# KiCad board pcb.kicad_pcb (continued)
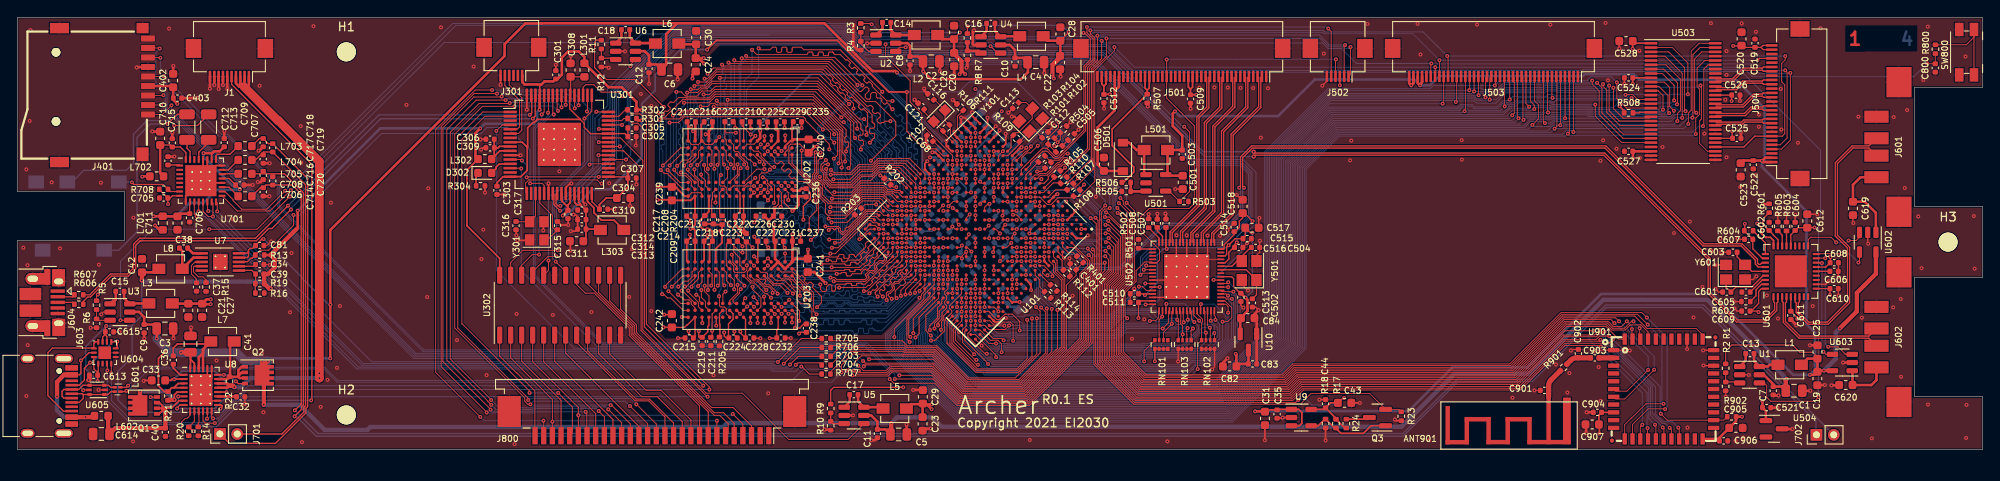
[diagram p0: board, top side]
## Routing (per net, layer and track width the routed paths; a pad name or vN(x,y) marks a point on that pad's centre or on a via; arc(x,y) is an arc through that point) (continued)
/lcd/LVDS_CKN: length 7
  Top w0.15: U503.40 196.24,38.88 199.48,38.88 200.23,39.62 201.55,39.62 201.67,39.75 J504.14
/lcd/LVDS_CKP: length 7
  Top w0.15: U503.39 196.24,38.63 199.58,38.63 200.33,39.38 201.55,39.38 201.67,39.25 J504.13
/lcd/LVDS_D0N: length 7.2
  Top w0.15: U503.48 196.24,42.88 198.08,42.88 199.33,44.12 201.55,44.12 201.67,44.25 J504.23
/lcd/LVDS_D0P: length 7.2
  Top w0.15: J504.22 201.67,43.75 201.55,43.88 199.43,43.88 198.18,42.63 196.24,42.63 U503.47
/lcd/LVDS_D1N: length 7
  Top w0.15: U503.46 196.24,41.88 198.51,41.88 199.26,42.62 201.55,42.62 201.67,42.75 J504.20
/lcd/LVDS_D1P: length 7
  Top w0.15: U503.45 196.24,41.63 198.61,41.63 199.36,42.38 201.55,42.38 201.67,42.25 J504.19
/lcd/LVDS_D2N: length 7.2
  Top w0.15: J504.17 201.67,41.25 201.55,41.12 200.52,41.12 199.27,39.88 196.24,39.88 U503.42
/lcd/LVDS_D2P: length 7.2
  Top w0.15: U503.41 196.24,39.63 199.37,39.63 200.62,40.88 201.55,40.88 201.67,40.75 J504.16
/lcd/LVDS_D3N: length 6.7
  Top w0.15: J504.11 201.67,38.25 201.55,38.12 199.42,38.12 199.17,37.88 196.24,37.88 U503.38
/lcd/LVDS_D3P: length 6.7
  Top w0.15: J504.10 201.67,37.75 201.55,37.88 199.52,37.88 199.27,37.63 196.24,37.63 U503.37
/lcd/MIPI_CN: length 21.3
  Top w0.15: J501.9 140.37,43.03 140.37,39.71 138.07,37.4 138.07,27.63 135.54,25.1 135.54,24.01 U502.8
/lcd/MIPI_CP: length 21.3
  Top w0.15: J501.8 140.62,43.03 140.62,39.6 138.32,37.3 138.32,27.53 135.79,25 135.79,24.01 U502.7
/lcd/MIPI_DN0: length 21.5
  Top w0.15: U502.2 137.94,24.01 137.94,25.01 140.19,27.26 140.19,36.48 143.37,39.67 143.37,43.03 J501.3
/lcd/MIPI_DN1: length 21.4
  Top w0.15: U502.5 136.74,24.01 136.74,25.09 138.38,26.73 138.38,26.73 138.71,27.05 138.71,27.05 139.08,27.43 139.08,36.83 141.87,39.62 141.87,43.03 J501.6
/lcd/MIPI_DN2: length 21.2
  Top w0.15: J501.12 138.87,43.03 138.87,39.61 137.09,37.83 137.09,27.98 134.34,25.23 134.34,24.01 U502.11
/lcd/MIPI_DN3: length 21
  Top w0.15: U502.14 133.14,24.01 133.14,25.18 136.23,28.27 136.23,38.48 137.37,39.62 137.37,43.03 J501.15
/lcd/MIPI_DP0: length 21.5
  Top w0.15: U502.1 138.19,24.01 138.19,24.91 140.44,27.16 140.44,36.38 143.62,39.56 143.62,43.03 J501.2
/lcd/MIPI_DP1: length 21.4
  Top w0.15: U502.4 136.99,24.01 136.99,24.98 138.63,26.62 138.63,26.63 138.81,26.8 138.81,26.8 139.33,27.32 139.33,36.73 142.12,39.52 142.12,43.03 J501.5
/lcd/MIPI_DP2: length 21.2
  Top w0.15: J501.11 139.12,43.03 139.12,39.5 137.34,37.72 137.34,27.88 134.59,25.13 134.59,24.01 U502.10
/lcd/MIPI_DP3: length 21
  Top w0.15: U502.13 133.39,24.01 133.39,25.07 136.48,28.16 136.48,38.37 137.62,39.52 137.62,43.03 J501.14
/power/BAT+: length 57.6
  Top w0.3: 26.14,42.01 25.61,42.01 ; 26.14,42.01 26.25,42.12 J1.2 ; 26.14,42.01 26.17,41.98 26.58,41.98 26.75,42.15 J1.1 ; 25.61,42.01 25.25,42.38 J1.4 ; 25.61,42.01 25.75,42.15 J1.3 ; U8.20 23.15,7.65 24.24,7.65 R22.1 24.26,7.15 U8.19 ; 28.45,39.7 28.45,39.67
  Top w0.5: v1(25.06,7.22) 24.9,7.39 R22.1
  Top w1: v1(34.89,8.26) 34.88,8.27 34.88,33.32 30.15,38.05 30.1,38.05 26.17,41.98
  Bottom w0.5: v1(34.88,8.82) 34.89,8.81 v1(34.89,8.26) 26.88,8.26 25.84,7.22 v1(25.06,7.22)
/power/BAT_NTC: length 59.3
  Top w0.11: R20.1 20.45,3.26 20.45,4.45 U8.10
  Top w0.15: R20.1 20.29,2.12 v1(20.34,2.12) ; v1(33.94,5.69) 34.02,5.78 34.02,32.96 24.75,42.24 J1.5
  Bottom w0.15: v1(20.34,2.12) 20.87,2.65 23,2.65 26.04,5.69 v1(33.94,5.69)
/power/INTVCC: length 11.4
  Top w0.2: U8.2 19.24,8.16 17.89,8.16 17.73,8 C33.2 ; U8.18 24.15,6.65 v1(24.16,6.63)
  Bottom w0.2: v1(18.09,8.13) 19.03,9.07 22.81,9.07 24.16,7.72 v1(24.16,6.63)
/usb/OCI1B: length 7.8
  Top w0.11: U601.19 206.86,23.57 206.86,24.28 207.12,24.55 209.49,24.55 v1(210.07,23.97) ; U602.3 212.77,24.54 212.41,24.18 v1(211.52,24.18)
  Bottom w0.11: v1(210.07,23.97) 211.3,23.97 v1(211.52,24.18)
/usb/OCI2B: length 14.6
  Top w0.11: U601.17 207.81,22.14 v1(208.81,22.14) ; U603.3 211.15,11.01 211.1,11.06 211.1,11.08 210.29,11.88 v1(209.16,11.88)
  Bottom w0.11: v1(208.81,22.14) 208.81,12.23 v1(209.16,11.88)
/usb/PPON1: length 6.7
  Top w0.11: 210.77,22.65 v1(210.69,22.65) 207.81,22.65 U601.18 ; U602.4 212.77,21.74 v1(212.65,21.63)
  Bottom w0.11: v1(210.69,22.65) 211.63,22.65 v1(212.65,21.63)
/usb/PPON2: length 12.2
  Top w0.11: v1(208.43,21.57) 208.38,21.61 U601.16 ; v1(208.61,11.3) 208.9,11.01 U603.4
  Bottom w0.11: v1(208.61,11.3) 208.43,11.48 v1(208.43,21.57)
/usb/TYPEC_DN: length 8.3
  Top w0.15: L601.4 10.77,7.2 10.54,7.44 U605.3 U605.4 7.59,7.44 7.1,6.95 J603.B7 5.38,6.95 5.17,6.74 5.17,6.16 5.37,5.96 6.28,5.96 J603.A7
/usb/TYPEC_DP: length 7.1
  Top w0.15: 7.61,6.36 7.51,6.46 6.29,6.46 J603.A6 ; 7.61,6.36 U605.6 U605.1 10.47,6.36 10.81,6.7 L601.3 ; 7.61,6.36 7.61,5.9 7.15,5.44 6.3,5.44 J603.B6
/usb/USB_D1+: length 31.5
  Top w0.15: J601.3 213.86,35.12 211.92,35.12 209.98,33.18 209.98,24.71 211.38,23.3 211.38,17.08 209.05,14.74 206.91,14.74 205.72,15.94 205.72,16.99 205.84,17.11 U601.7
/usb/USB_D1-: length 31.9
  Top w0.15: J601.2 213.86,34.88 212.02,34.88 210.23,33.08 210.23,24.81 211.63,23.4 211.63,16.98 209.15,14.49 206.81,14.49 205.47,15.84 205.47,16.95 205.34,17.08 U601.6
/usb/USB_D2+: length 14.5
  Top w0.15: U601.4 204.34,17.08 204.22,16.96 204.22,14.81 205.9,13.12 213.86,13.12 J602.3
/usb/USB_D2-: length 14.9
  Top w0.15: U601.3 203.84,17.14 203.97,17.01 203.97,14.71 205.8,12.88 213.86,12.88 J602.2
AP_WAKE_BT: length 109.2
  Top w0.1: v1(127.09,27.37) 128.22,26.24 128.22,19.88 126.95,18.61 126.95,10.97 130.02,7.91 146.44,7.91 147.65,9.11 172.71,9.11 178.63,15.03 184.07,15.03 v1(184.47,14.63) ; U101.T1 116.49,34.51 116.68,34.51 117.08,34.91 v1(117.08,35.07) ; v1(188.36,9.22) 185.9,6.75 184.63,6.75 U901.6
  Bottom w0.1: v1(188.36,9.22) 188.36,10.77 184.5,14.63 v1(184.47,14.63) ; v1(127.09,27.37) 126.56,27.9 126.56,29.98 120.35,36.19 118.2,36.19 v1(117.08,35.07)
ARM_EN: length 56.2
  Top w0.1: U301.42 69.66,36.05 72.24,33.47 72.24,13.84 79.56,6.52 83.75,6.52 89.12,1.15 95.94,1.15 U5.4
BT_CFG_1: length 24.9
  Top w0.1: U101.A22 112.3,14.31 113.97,14.31 v1(113.99,14.33) ; U502.36 132.27,15.41 v1(132.23,15.38) 131.87,15.01 131.87,13.32 131.89,13.3 RN101.3
  Bottom w0.1: v1(113.99,14.33) 114.43,14.77 115.91,14.77 116.28,14.4 126.21,14.4 127.88,16.07 131.54,16.07 v1(132.23,15.38)
BT_CFG_2: length 34.9
  Top w0.1: U502.37 132.67,16.8 v1(132.72,16.85) ; RN103.5 135.59,13.3 135.57,13.32 135.57,13.78 v1(135.79,14) ; U101.B22 112.31,14.89 112.7,14.51 113.63,14.51 113.86,14.74 114.7,14.74 115.01,14.43 v1(115.01,12.58)
  Bottom w0.1: v1(115.01,12.58) 115.16,12.43 126.85,12.43 127.93,13.52 134.25,13.52 134.46,13.73 134.74,13.73 134.79,13.67 135.46,13.67 v1(135.79,14) 135.55,14.24 135.55,14.89 135.79,15.13 135.79,15.93 134.86,16.85 v1(132.72,16.85)
BT_CFG_3: length 28.6
  Top w0.1: RN103.6 135.09,13.3 135.07,13.32 135.07,13.96 v1(135.17,14.05) ; v1(132.29,14) 132.95,14.66 132.95,15.94 U502.38 ; v1(113.92,12.64) 113.71,12.84 112.71,12.84 U101.A23
  Bottom w0.1: v1(113.92,12.64) 114.53,12.64 114.87,12.98 115.15,12.98 115.35,12.78 126.92,12.78 128.14,14 v1(132.29,14) 132.34,13.95 135.06,13.95 v1(135.17,14.05)
BT_CFG_4: length 28
  Top w0.1: U502.39 133.34,15.94 v1(133.34,14.55) 133.34,14.52 132.39,13.56 RN101.2 ; U101.C22 v2(111.19,14.89)
  Bottom w0.1: v1(133.34,14.55) 133.29,14.6 132.07,14.6 131.87,14.4 127.97,14.4 126.75,13.18 115.51,13.18 115.32,13.38 114.7,13.38 114.55,13.22 112.86,13.22 v2(111.19,14.89)
BT_CFG_5: length 27.9
  Top w0.1: RN103.8 134.09,14.88 v1(133.97,15) 133.97,15.96 U502.40 ; U101.B23 111.74,14.36 112.21,13.89 114.09,13.89 v1(114.55,14.35)
  Bottom w0.1: v1(114.55,14.35) 116.04,14.35 116.19,14.2 126.29,14.2 127.96,15.87 131.03,15.87 131.9,15 132.97,15 133.15,15.18 133.79,15.18 v1(133.97,15)
BT_CFG_6: length 27.9
  Top w0.1: U502.41 134.39,15.94 134.39,14.92 134.32,14.86 134.32,14.58 134.59,14.31 RN103.7 ; U101.A24 112.24,12.26 v1(113.04,12.26)
  Bottom w0.1: v1(134.6,13.33) 133.5,12.23 129.93,12.23 129.9,12.2 114.39,12.2 114.33,12.26 v1(113.04,12.26)
BT_CFG_10: length 35.2
  Top w0.1: U101.B24 111.2,13.83 112.39,12.65 113.26,12.65 113.69,12.22 v1(113.69,11.26) ; RN102.5 138.29,13.44 v1(138.25,13.47) ; U502.45 135.87,15.54 v1(136.5,14.91)
  Bottom w0.1: v1(113.69,11.26) 113.83,11.4 130.23,11.4 130.23,11.4 134.75,11.4 135.05,11.7 136.48,11.7 v1(138.25,13.47) 138.25,14.2 137.95,14.5 136.91,14.5 v1(136.5,14.91)
BT_CFG_11: length 46.3
  Top w0.1: U101.G20 v2(110.13,18.08) ; v1(136.33,9.31) 136.33,12.19 RN102.8 136.79,14.66 136.9,14.77 136.9,15.06 136.27,15.69 U502.46
  Bottom w0.1: v2(110.13,18.08) 110.1,18.05 109.57,18.05 107.69,16.17 107.69,16.16 106.79,15.26 106.79,14.28 107.06,14.01 107.06,12.52 110.56,9.03 111.32,9.03 111.74,8.61 135.64,8.61 v1(136.33,9.31)
BT_CFG_12: length 47.5
  Top w0.1: RN101.4 130.15,11.41 v1(130.15,10.19) ; U101.F21 v2(110.13,17.01) ; v1(136.7,16.82) 136.67,16.79 U502.47
  Bottom w0.1: v2(110.13,17.01) 110.13,16.48 109.18,15.54 109.18,13.17 111.11,11.24 111.11,11.13 111.75,10.49 112.35,10.49 112.73,10.11 130.06,10.11 v1(130.15,10.19) 130.56,10.6 135.08,10.6 135.38,10.9 137.68,10.9 139.59,12.81 139.59,15.48 138.24,16.82 v1(136.7,16.82)
BT_CFG_13: length 35.6
  Top w0.1: U101.E22 v2(110.13,15.95) ; RN102.7 137.29,13.51 v1(137.28,13.51) 137.17,13.63 137.17,15.96 U502.48
  Bottom w0.1: v2(110.13,15.95) 110.01,15.83 110.01,15.3 109.68,14.98 109.68,14.28 112.57,11.39 113.28,11.39 113.55,11.66 113.83,11.66 113.88,11.6 130.15,11.6 130.15,11.6 134.67,11.6 136.58,13.51 v1(137.28,13.51)
BT_CFG_14: length 34.6
  Top w0.1: U502.49 137.46,16.05 137.46,14.37 v1(137.74,14.09) 137.79,14.04 RN102.6 ; U101.D23 v2(110.13,14.89)
  Bottom w0.1: v1(137.74,14.09) 136.88,14.09 134.59,11.8 130.07,11.8 130.06,11.8 113.97,11.8 113.91,11.86 113.46,11.86 113.24,11.63 112.61,11.63 110.13,14.11 v2(110.13,14.89)
BT_RST_N: length 110.9
  Top w0.1: U901.34 194.65,13.28 193.93,13.99 188.24,13.99 186.79,15.44 178.47,15.44 172.54,9.51 147.48,9.51 146.28,8.31 130.18,8.31 127.35,11.14 127.35,18.44 128.62,19.71 128.62,27.12 v1(127.23,28.51) ; U101.T3 v2(114.37,32.92)
  Bottom w0.1: v1(127.23,28.51) 127,28.73 127,30.11 120.49,36.62 117.1,36.62 114.44,33.96 114.44,33 v2(114.37,32.92)
BT_WAKE_AP: length 112.2
  Top w0.1: U901.7 184.63,5.85 185.68,5.85 v1(189.06,9.23) ; U101.T2 114.9,33.41 115.94,34.44 116.08,34.44 v1(116.54,34.91) ; v1(127.05,27.94) 128.42,26.58 128.42,19.79 127.15,18.53 127.15,11.05 130.1,8.11 146.36,8.11 147.56,9.31 172.63,9.31 178.55,15.23 184.6,15.23 v1(185,14.83)
  Bottom w0.1: v1(185,14.83) 189.06,10.77 v1(189.06,9.23) ; v1(116.54,34.91) 116.54,35.07 117.86,36.39 120.43,36.39 126.8,30.02 126.8,28.19 v1(127.05,27.94)
CCM_CLKO2: length 102.4
  Top w0.1: U101.C4 v2(121.27,24.97) ; v1(184.28,12.74) 183.83,12.29 178.76,12.29 173.55,7.09 148.46,7.09 147.23,5.86 129.2,5.86 124.96,10.1 124.96,19.44 126.22,20.7 126.22,22.43 v1(125.67,22.98) ; v1(189.81,4.15) 190.56,3.4 U901.24 195.93,3.4 197.09,3.4 R902.2
  Bottom w0.1: v1(125.67,22.98) 125.01,22.98 124.15,23.85 122.39,23.85 v2(121.27,24.97) ; v1(189.81,4.15) 189.75,4.21 189.75,7.28 v1(184.28,12.74)
DEBUG_USB_D+: length 65.7
  Top w0.15: R606.2 7.61,17.12 8.14,17.65 8.45,17.65 10.87,20.06 12.83,20.06 13.67,20.91 13.67,23.62 14.2,24.15 ; v1(59.54,38.28) 59.81,38.55 59.81,40.94 U301.62 ; v1(31.61,27.76) 29.41,25.56 29.03,25.56 27.62,24.15 14.2,24.15 ; 14.2,24.15 14.4,24.15
  Bottom w0.15: v1(59.54,38.28) 59.53,38.26 41.97,38.26 31.61,27.9 v1(31.61,27.76)
DEBUG_USB_D-: length 64.2
  Top w0.15: U301.63 59.42,40.91 59.42,38.94 v1(59.19,38.72) ; R607.2 8.35,17.9 10.76,20.31 12.72,20.31 13.42,21.01 13.42,23.75 14.12,24.45 27.51,24.45 v1(31.26,28.21)
  Bottom w0.15: v1(59.19,38.72) 41.77,38.72 v1(31.26,28.21)
EC_I2C_SCL: length 116.9
  Top w0.11: v1(22.61,3.59) 22.45,3.76 U8.14 ; U604.6 10.39,9.89 v1(10.39,9.14) ; v1(79.94,6.94) 79.94,7.23 72.66,14.51 72.66,38.09 71.92,38.83 70.96,38.83 R302.2 70.23,39.3 69.48,38.55 U301.47
  Bottom w0.11: v1(10.39,9.14) 10.39,5.69 13.2,2.88 21.9,2.88 v1(22.61,3.59) 23.19,3.59 26.54,6.94 v1(79.94,6.94)
EC_I2C_SDA: length 117.2
  Top w0.11: v1(79.23,7.38) 72.45,14.17 72.45,36.97 71.67,37.75 71.04,37.75 R301.2 70.06,38.3 69.81,38.05 68.28,38.05 U301.46 ; v1(21.92,3.57) 21.95,3.6 U8.13 ; U604.7 10.86,9.93 v1(10.86,8.81)
  Bottom w0.11: v1(79.23,7.38) 26.69,7.38 23.61,4.31 ; v1(10.86,8.81) 10.86,5.67 13.43,3.11 21.46,3.11 v1(21.92,3.57) 22.03,3.57 22.73,4.26 23.57,4.26 23.61,4.31 ; 23.61,4.31 26.12,6.82
EC_INT: length 95
  Top w0.11: v1(22.82,3.05) 21.69,3.05 21.45,3.3 U8.12 ; U301.39 68.28,34.56 70.01,34.56 72.04,32.53 72.04,13.75 79.68,6.11 v1(79.73,6.11)
  Bottom w0.11: v1(79.73,6.11) 26.01,6.11 22.95,3.05 v1(22.82,3.05)
EC_USB_D+: length 174.4
  Top w0.15: U301.23 61.97,29.5 61.97,28.32 v1(62.68,27.62) ; v1(142.8,33.89) 142.95,34.04 183.24,34.04 195.29,22 195.29,18.02 198.57,14.75 201.89,14.75 203.22,16.07 203.22,16.94 203.34,17.07 U601.2
  Bottom w0.15: v1(62.68,27.62) 62.93,27.62 66.77,31.45 66.77,31.74 68.97,33.95 68.97,41.28 75.87,48.17 95.38,48.17 97.89,45.66 125.38,45.66 137.15,33.89 v1(142.8,33.89)
EC_USB_D-: length 173
  Top w0.15: v1(142.8,34.45) 142.95,34.29 183.35,34.29 195.54,22.1 195.54,18.13 198.67,15 201.79,15 202.97,16.17 202.97,16.97 202.84,17.1 U601.1 ; v1(62.71,28.18) 62.47,28.18 62.23,28.43 62.23,29.5 U301.24
  Bottom w0.15: v1(62.71,28.18) 62.86,28.18 68.72,34.05 68.72,41.38 75.77,48.42 95.48,48.42 97.99,45.91 125.48,45.91 136.95,34.45 v1(142.8,34.45)
EPD_PWR_EN: length 123.4
  Top w0.11: v1(123.94,48.48) 123.94,48.12 124.45,47.61 124.45,45.02 123.61,44.17 123.61,34.83 121.77,33 120.81,33 120.59,32.78 120.31,32.78 119.07,31.54 119.07,31.28 118.59,30.8 U101.L1 ; v1(165.16,45.52) 165.25,45.43 J503.31 ; v1(204.2,45.51) 204.2,45.09 203.78,44.67 203.78,42.53 204.13,42.18 204.13,36.54 203.84,36.25 J504.7
  Top w0.15: U503.32 199.42,35 200.67,36.25 J504.7
  Bottom w0.11: v1(204.2,45.51) 204.19,45.52 v1(165.16,45.52) 162.37,48.3 150.99,48.3 150.82,48.48 v1(123.94,48.48)
EPD_TP_INT: length 105.4
  Top w0.1: v1(164.26,45.03) 164.26,43.16 J503.33
  Top w0.11: v1(123.15,48.2) 123.27,48.2 123.93,47.54 123.93,45.09 123.19,44.35 123.19,36.96 120.12,33.89 119.89,33.89 119.78,34 ; 119.76,34 118.9,34.86 118.42,34.86 115.96,32.4 U101.P2
  Top w0.15: v1(200.98,45.02) 201.21,45.25 J504.25
  Bottom w0.1: v1(123.15,48.2) 123.39,47.96 123.95,47.96 124.25,48.25 150.75,48.25 150.91,48.1 161.19,48.1 v1(164.26,45.03) 200.97,45.03 v1(200.98,45.02)
EPDC_BDR0: length 127.9
  Top w0.1: v1(103.73,12.97) 104.15,13.38 104.15,15.27 106.42,17.54 U101.K24 ; U503.24 185.32,35.5 182.25,38.57 v1(182.25,39.9) ; J503.27 167.25,39.23 v1(167.15,39.13)
  Bottom w0.1: v1(103.73,12.97) 103.73,12.07 110.03,5.77 139.22,5.77 146.23,12.79 146.23,33.52 151.71,39 167.02,39 v1(167.15,39.13) 167.25,39.04 171.66,39.04 172.31,39.69 173.02,39.69 173.44,40.11 177.14,40.11 177.33,39.92 178.12,39.92 178.13,39.93 182.23,39.93 v1(182.25,39.9)
EPDC_D0: length 152
  Top w0.1: v1(194.69,37.41) 194.79,37.51 194.79,44.01 195.28,44.5 U503.51 ; v1(179.73,36.73) 179.75,36.75 J503.2
  Top w0.11: U101.P20 106.42,21.8 v1(106.42,21.79)
  Bottom w0.1: v1(194.69,37.41) 194.23,37.41 193.55,36.73 v1(179.73,36.73) 179.52,36.94 178.95,36.94 178.47,36.45 152.61,36.45 148.65,32.49 148.65,11.77 140.25,3.37 108.73,3.37 100.47,11.64 100.47,13.28 104.16,16.98 104.58,16.98 104.91,17.31 104.91,18.75 105.51,19.35 105.51,20.36 106.42,21.27 v1(106.42,21.79)
EPDC_D1: length 153
  Top w0.1: J503.3 179.26,43.14 179.26,36.71 v1(179.09,36.54) ; v1(105.86,21.28) 105.89,21.31 U101.P21 ; U503.52 194.9,45 194.02,44.11 194.02,41.97 194.31,41.68 194.31,38.79 193.86,38.34 v1(193.86,36.5)
  Bottom w0.1: v1(105.86,21.28) 105.31,20.73 105.31,19.44 104.71,18.84 104.71,17.51 104.37,17.18 104.08,17.18 100.27,13.37 100.27,11.56 108.65,3.18 140.34,3.18 148.85,11.69 148.85,32.41 152.7,36.26 178.8,36.26 v1(179.09,36.54) 179.28,36.35 193.7,36.35 v1(193.86,36.5)
EPDC_D2: length 148.1
  Top w0.1: U101.N20 v2(106.95,21.26) ; v1(178.76,38.33) 178.76,43.14 J503.4 ; U503.54 194.56,46 193.73,45.17 193.73,39.14 v1(193.92,38.95)
  Bottom w0.1: v1(193.92,38.95) 193.51,38.95 193.31,38.75 191.44,38.75 191.02,38.33 v1(178.76,38.33) 177.3,38.33 177.13,38.16 174.71,38.16 174.01,37.46 152.21,37.46 147.65,32.91 147.65,12.19 139.84,4.37 109.14,4.37 101.87,11.65 101.87,13.52 104.54,16.18 104.91,16.18 105.7,16.98 105.7,18.42 106.82,19.54 106.82,19.79 106.56,20.06 106.56,20.33 106.95,20.73 v2(106.95,21.26)
EPDC_D3: length 150.4
  Top w0.1: v1(178.21,37.53) 178.25,37.57 J503.5 ; U101.N21 v2(106.42,20.73) ; v1(193.48,38.39) 193.53,38.44 193.53,45.68 194.35,46.5 U503.55
  Bottom w0.1: v2(106.42,20.73) 106.33,20.64 106.33,20.11 105.91,19.68 105.91,19.19 105.3,18.59 105.3,17.15 104.74,16.58 104.33,16.58 100.89,13.15 100.89,11.78 108.89,3.77 140.09,3.77 148.25,11.94 148.25,32.66 152.45,36.85 176.75,36.85 177.43,37.53 v1(178.21,37.53) 178.31,37.42 192.01,37.42 192.97,38.39 v1(193.48,38.39)
EPDC_D4: length 151.2
  Top w0.1: v1(193,37.67) 193,38.92 193.33,39.25 193.33,46.09 194.24,47 U503.56 ; v1(177.56,37.12) 177.82,37.38 177.82,43.08 J503.6 ; U101.N22 v2(105.89,20.2)
  Bottom w0.1: v2(105.89,20.2) 105.71,20.02 105.71,19.27 105.11,18.67 105.11,17.23 104.66,16.78 104.24,16.78 100.69,13.23 100.69,11.7 108.81,3.57 140.17,3.57 148.45,11.85 148.45,32.57 152.53,36.65 177.09,36.65 v1(177.56,37.12) 177.57,37.13 192.47,37.13 v1(193,37.67)
EPDC_D5: length 140.2
  Top w0.1: U503.2 191.16,46.5 192.95,44.71 v1(192.95,41.1) ; v1(177.31,40.68) 177.25,40.75 J503.7 ; U101.M20 v2(107.48,20.73)
  Bottom w0.1: v1(192.95,41.1) 186.2,41.1 186.14,41.03 186.14,40.89 185.88,40.63 177.36,40.63 v1(177.31,40.68) 177.31,40.67 173.4,40.67 172.82,40.1 171.65,40.1 170.98,39.43 168.24,39.43 167.95,39.73 166.81,39.73 166.49,39.41 151.56,39.41 145.83,33.69 145.83,12.95 139.05,6.17 110.2,6.17 104.31,12.06 104.31,13.25 104.19,13.37 104.19,14.3 105.08,15.19 105.32,15.19 106.7,16.57 106.7,16.71 107.42,17.43 107.42,18.3 107.73,18.61 107.73,19.39 107.87,19.53 107.87,19.8 107.48,20.2 v2(107.48,20.73)
EPDC_D6: length 145.1
  Top w0.1: v1(192.69,39.14) 192.55,39.27 192.55,44.19 190.74,46 U503.3 ; J503.8 176.75,39.04 v1(176.8,38.99) ; U101.M21 v2(106.95,20.2)
  Bottom w0.1: v2(106.95,20.2) 107.1,20.04 107.1,19.51 107.33,19.28 107.33,18.77 107.02,18.46 107.02,17.59 106.3,16.87 106.3,16.73 105.15,15.59 104.78,15.59 102.46,13.27 102.46,11.91 109.39,4.98 139.59,4.98 147.05,12.43 147.05,33.15 151.96,38.06 172.63,38.06 173.05,38.48 173.05,38.5 173.06,38.52 173.06,38.67 173.15,38.76 176.22,38.76 176.45,38.99 v1(176.8,38.99) 178.31,38.99 178.46,39.13 181.44,39.13 181.65,38.93 190.26,38.93 190.84,39.5 191.13,39.5 191.2,39.58 191.48,39.58 191.92,39.14 v1(192.69,39.14)
EPDC_D7: length 146.1
  Top w0.1: v1(192.3,38.37) 192.3,43.51 190.31,45.5 U503.4 ; v1(176.44,37.76) 176.25,37.95 J503.9 ; U101.M22 v2(106.42,19.67)
  Bottom w0.1: v1(192.3,38.37) 191.39,38.37 190.96,37.94 178.61,37.94 178.42,38.13 177.46,38.13 177.09,37.76 v1(176.44,37.76) 176.27,37.93 174.77,37.93 174.1,37.26 152.29,37.26 147.85,32.82 147.85,12.11 139.92,4.17 109.06,4.17 101.67,11.57 101.67,13.6 104.45,16.38 104.82,16.38 105.5,17.06 105.5,18.5 106.42,19.42 v2(106.42,19.67)
EPDC_D8: length 145.3
  Top w0.1: v1(174.99,37.55) 175.68,38.24 175.68,39.9 175.25,40.33 J503.11 ; v1(101.29,13.01) 101.29,13.97 104.71,17.39 104.71,17.89 105.89,19.07 U101.M23 ; U503.6 190.43,44.5 192.09,42.84 192.09,39.2 191.73,38.85 v1(191.73,37.99)
  Bottom w0.1: v1(101.29,13.01) 101.29,11.66 108.98,3.97 140.01,3.97 148.05,12.02 148.05,32.74 152.37,37.05 174.5,37.05 v1(174.99,37.55) 175.18,37.36 176.98,37.36 177.55,37.93 178.34,37.93 178.65,37.62 191.36,37.62 v1(191.73,37.99)
EPDC_D9: length 135.6
  Top w0.1: v1(103.06,12.44) 102.75,12.75 102.75,15.16 105.36,17.76 U101.L25 ; U503.7 190.17,44 191.75,42.41 191.75,39.99 v1(191.69,39.93) ; v1(175.21,39.38) 175.21,39.83 174.75,40.29 J503.12
  Bottom w0.1: v1(103.06,12.44) 103.06,11.89 109.57,5.38 139.43,5.38 146.65,12.6 146.65,33.32 151.89,38.55 172.02,38.55 172.74,39.27 175.1,39.27 v1(175.21,39.38) 175.42,39.58 177.03,39.58 177.09,39.52 178.28,39.52 178.29,39.53 181.61,39.53 181.81,39.32 189.56,39.32 189.94,39.7 191.04,39.7 191.27,39.93 v1(191.69,39.93)
EPDC_D10: length 134.1
  Top w0.1: U503.8 189.99,43.5 191.36,42.12 v1(191.36,40.38) ; v1(174.62,39.65) 174.25,40.02 J503.13 ; U101.L24 105.89,18.01 102.96,15.08 102.96,13.21 v1(103.14,13.03)
  Bottom w0.1: v1(191.36,40.38) 191.07,40.09 184.87,40.09 184.3,39.52 181.9,39.52 181.69,39.73 178.21,39.73 178.2,39.72 177.17,39.72 177.11,39.78 174.75,39.78 v1(174.62,39.65) 174.46,39.49 172.39,39.49 171.66,38.75 151.8,38.75 146.45,33.4 146.45,12.73 139.3,5.58 109.67,5.58 103.46,11.79 103.46,12.71 v1(103.14,13.03)
EPDC_D11: length 138.9
  Top w0.1: U101.L23 v2(106.42,18.61) ; v1(191.34,39.19) 190.85,39.67 190.85,41.88 190.24,42.5 U503.10 ; v1(173.97,38.14) 173.9,38.21 173.9,43 J503.14
  Bottom w0.1: v2(106.42,18.61) 105.9,18.09 105.9,16.9 104.99,15.99 104.62,15.99 102.07,13.43 102.07,11.74 109.23,4.58 139.76,4.58 147.45,12.27 147.45,32.99 152.12,37.66 173.49,37.66 v1(173.97,38.14) 174.18,38.36 177.05,38.36 177.22,38.53 178.42,38.53 178.62,38.73 181.28,38.73 181.48,38.53 190.93,38.53 191.34,38.93 v1(191.34,39.19)
EPDC_D12: length 137.3
  Top w0.1: v1(190.79,38.92) 190.65,39.05 190.65,40.95 189.61,42 U503.11 ; J503.15 173.25,38.45 v1(173.39,38.31) ; U101.L22 v2(106.95,19.14)
  Bottom w0.1: v2(106.95,19.14) 106.8,18.99 106.8,17.66 106.1,16.96 106.1,16.82 105.07,15.79 104.7,15.79 102.26,13.35 102.26,11.82 109.31,4.78 139.68,4.78 147.25,12.35 147.25,33.07 152.04,37.86 172.93,37.86 v1(173.39,38.31) 173.63,38.56 176.96,38.56 177.14,38.73 178.34,38.73 178.54,38.93 181.36,38.93 181.56,38.73 190.6,38.73 v1(190.79,38.92)
EPDC_D13: length 135.1
  Top w0.1: v1(172.67,38.66) 172.9,38.89 172.9,43 J503.16 ; U101.L21 v2(107.48,19.67) ; v1(190.08,39.3) 190.08,40.93 189.51,41.5 U503.12
  Bottom w0.1: v1(190.08,39.3) 189.9,39.12 181.73,39.12 181.53,39.33 178.37,39.33 178.35,39.31 177.02,39.31 176.94,39.38 176.56,39.38 176.13,38.96 172.96,38.96 v1(172.67,38.66) 172.29,38.28 151.9,38.28 146.85,33.24 146.85,12.52 139.51,5.18 109.47,5.18 102.66,11.99 102.66,13.19 104.87,15.39 105.24,15.39 106.5,16.65 106.5,16.79 107.22,17.51 107.22,18.38 107.53,18.69 107.53,19.62 v2(107.48,19.67)
EPDC_D14: length 126.7
  Top w0.1: U503.14 187.13,40.5 186.57,41.06 185.77,41.06 v1(185.74,41.03) ; J503.17 172.37,43.03 v1(172.37,40.48) ; U101.L20 v2(108.01,20.2)
  Bottom w0.1: v1(185.74,41.03) 185.62,40.91 177.62,40.91 177.45,41.08 176.79,41.08 176.59,40.87 172.77,40.87 v1(172.37,40.48) 172.26,40.37 171.64,40.37 170.9,39.63 168.33,39.63 168.03,39.93 166.72,39.93 166.41,39.61 151.48,39.61 145.63,33.77 145.63,13.04 138.97,6.37 110.28,6.37 104.51,12.14 104.51,13.33 104.39,13.45 104.39,14.22 105.16,14.99 105.4,14.99 106.9,16.49 106.9,16.63 107.62,17.35 107.62,18.21 107.93,18.52 107.93,19.3 108.07,19.45 108.07,20.14 v2(108.01,20.2)
EPDC_D15: length 124.7
  Top w0.1: U101.K25 103.48,15.14 v1(103.48,13.47) ; v1(171.79,39.7) 171.75,39.74 J503.18 ; v1(186.44,40.66) 187.1,40 U503.15
  Bottom w0.1: v1(103.48,13.47) 103.81,13.47 104.11,13.17 104.11,11.98 110.12,5.97 139.14,5.97 146.03,12.87 146.03,33.6 151.63,39.2 166.56,39.2 166.87,39.52 167.31,39.52 167.59,39.23 171.32,39.23 v1(171.79,39.7) 171.97,39.89 172.89,39.89 173.32,40.31 177.22,40.31 177.41,40.12 177.44,40.12 177.75,40.43 186.21,40.43 v1(186.44,40.66)
EPDC_GDCLK: length 123
  Top w0.1: J503.24 168.75,41.01 v1(168.78,40.98) ; v1(105.51,13.18) 104.93,13.76 104.93,15.53 U101.J25 ; v1(183.15,42.28) 183.15,42.02 183.58,41.59 183.58,39 185.08,37.5 U503.20
  Bottom w0.1: v1(183.15,42.28) 182.81,41.95 178,41.95 177.87,42.08 176.38,42.08 176.17,41.87 171.69,41.87 171.05,41.23 169.03,41.23 v1(168.78,40.98) 151.44,40.98 144.63,34.18 144.63,13.45 138.56,7.37 111.02,7.37 105.91,12.48 105.91,12.78 v1(105.51,13.18)
EPDC_GDOE: length 123.1
  Top w0.1: v1(168.26,41.42) 168.26,43.14 J503.25 ; U101.J24 106.77,17.37 106.77,16.91 106.27,16.41 106.27,15.21 105.4,14.34 v1(105.4,13.83) ; v1(182.47,42.42) 183.02,41.87 183.02,38.94 185.47,36.49 188.68,36.49 U503.22
  Bottom w0.1: v1(105.4,13.83) 106.12,13.1 106.12,12.55 111.1,7.57 138.47,7.57 144.43,13.53 144.43,34.26 151.35,41.18 168.02,41.18 v1(168.26,41.42) 168.27,41.43 170.97,41.43 171.79,42.26 176.28,42.26 176.3,42.28 182.32,42.28 v1(182.47,42.42)
EPDC_GDSP: length 121.8
  Top w0.1: U101.H25 106.47,16.01 106.47,15.13 105.93,14.58 v1(105.93,14.01) ; v1(181.9,42.69) 181.9,42.27 182.7,41.47 182.7,38.75 185.45,36 U503.23 ; v1(167.7,41.56) 167.75,41.62 J503.26
  Bottom w0.1: v1(105.93,14.01) 106.32,13.62 106.32,12.63 111.18,7.77 138.39,7.77 144.23,13.61 144.23,34.34 151.43,41.54 167.68,41.54 v1(167.7,41.56) 167.94,41.81 169.11,41.81 169.29,41.63 170.88,41.63 171.73,42.48 181.69,42.48 v1(181.9,42.69)
EPDC_PWRSTAT: length 101.6
  Top w0.1: J503.32 164.75,40.13 v1(164.62,40) ; U101.K20 v2(108.54,19.67)
  Bottom w0.1: v1(164.62,40) 151.59,40 145.43,33.85 145.43,13.12 138.89,6.57 110.36,6.57 104.71,12.23 104.71,13.42 104.59,13.54 104.59,14.13 105.26,14.79 105.48,14.79 107.1,16.4 107.1,16.54 108.45,17.9 108.45,18.16 108.13,18.49 108.13,18.73 ; 108.13,18.73 108.13,19.22 108.54,19.63 v2(108.54,19.67) ; 108.13,18.73 108.13,18.85
